# Allegro board 20250806_UNOQ.brd (continued)
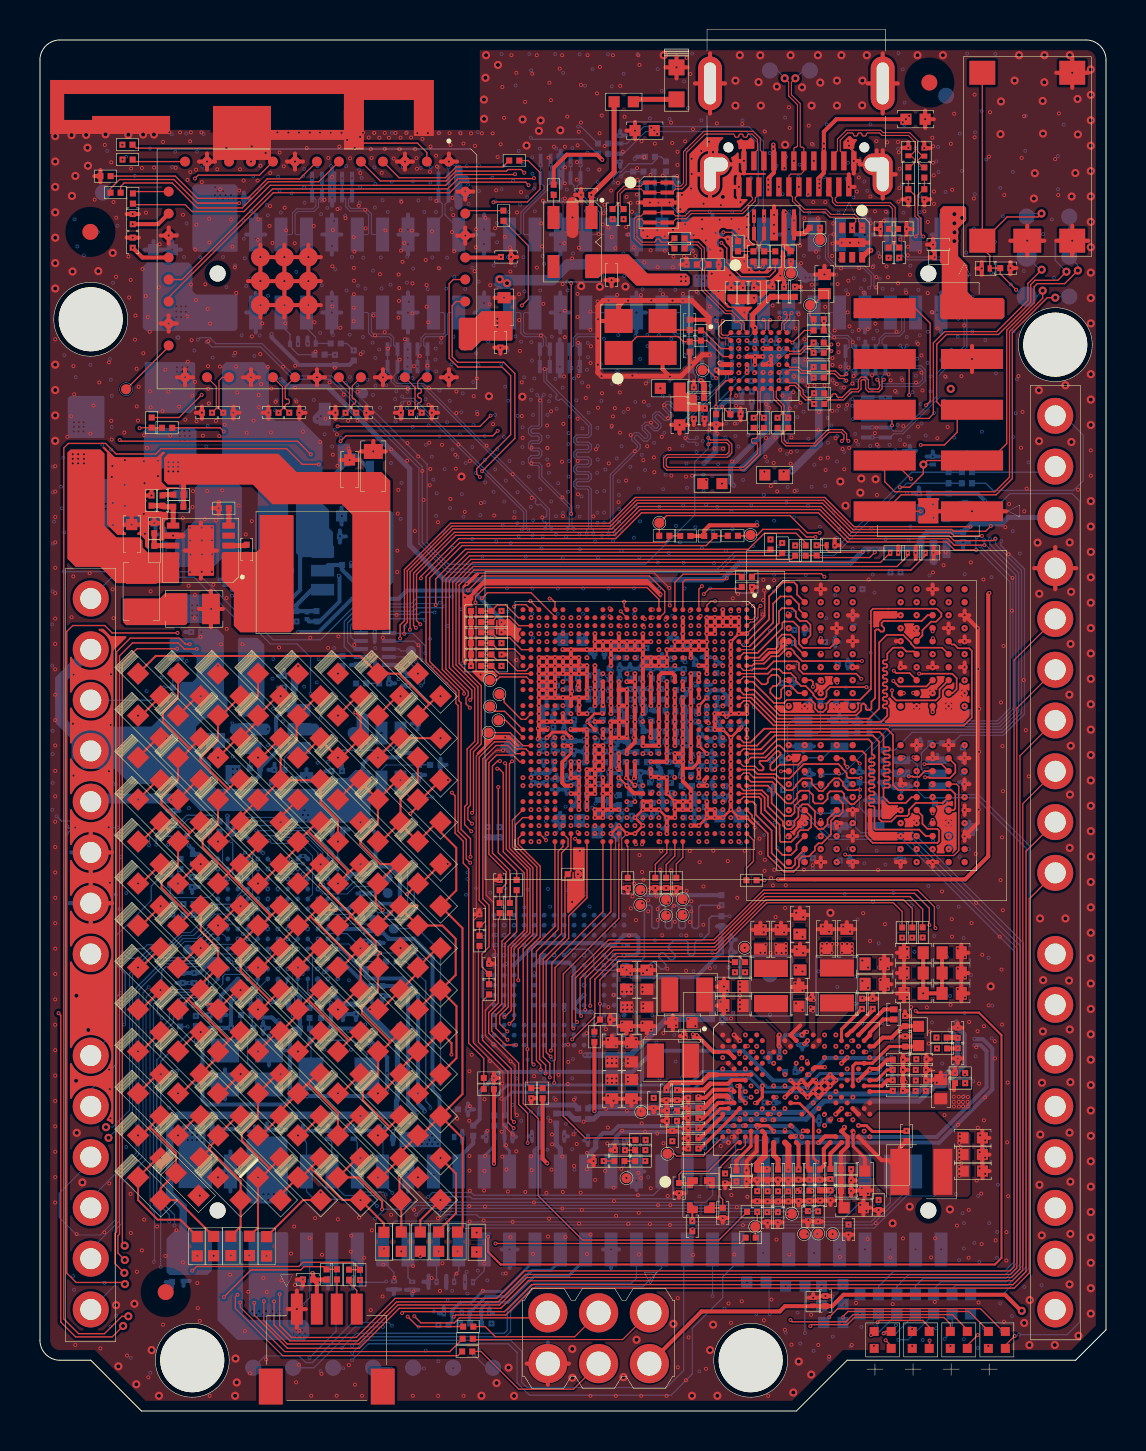
[diagram p0: board, top side]
## Routing (per net, layer and track width the routed paths; a pad name or vN(x,y) marks a point on that pad's centre or on a via; arc(x,y) is an arc through that point) (continued)
VREG_L4A_2P96V: length 46.4
  TOP w0.2: PMIC1.Y14 37.96,13.32 v1(37.96,12.08)
  G2 w0.203: v1(37.96,12.08) v2(39.02,12.08)
  S3 w0.2: v2(25.78,33.67) 25.77,33.67 v3(25.77,33.96)
  S3 w0.203: v2(39.02,12.08) v3(39.02,11.79)
  S6 w0.3: v3(39.02,11.79) 39.37,11.44 39.37,10.62 38.86,10.11 27.37,10.11 21.75,15.73 21.75,32.01 22.14,32.41 25.11,32.41 25.55,32.85 25.55,33.74 v3(25.77,33.96) 25.77,34.11 v5(25.67,34.21)
VREG_L5A_1P232V: length 6.6
  TOP w0.16: PMIC1.P2 34.05,15.13 34.05,15.13 33.88,14.96 33.88,14.96 33.07,14.15
  TOP w0.2: v2(32.94,14.15) 33.07,14.15
  TOP w0.203: SOC1.F15 33.38,34.48 v2(33.45,34.41) ; SOC1.AB11 26.97,36.25 v2(26.92,36.3) 26.97,36.36 SOC1.AB10
  S3 w0.127: v2(26.92,36.3) 26.92,36.3 26.92,36.31 26.97,36.31 26.99,36.29 27.17,36.29 ; 27.17,36.29 27.21,36.32 27.23,36.32 27.23,36.39 27.19,36.39 27.19,36.38 v3(27.18,36.38) ; 27.17,36.29 27.15,36.26 27.13,36.26 27.03,36.16 27.03,36.15 v2(26.97,36.08)
  S3 w0.2: v2(29.37,37.68) 29.37,37.63 29.55,37.45 v3(29.55,37.45) 29.77,37.66 v2(29.77,37.68) ; v2(30.17,31.28) 30.35,31.28 v3(30.45,31.18) 30.57,31.06 30.57,30.98 v2(30.65,30.98) ; v3(33.82,34.29) 33.82,34.29 33.82,34.3 33.81,34.3 33.81,34.3 33.56,34.3 v2(33.45,34.41)
  S3 w0.304: v3(32.27,14.16) 32.27,14.16 32.27,14.15 v2(32.94,14.15)
  S6 w0.2: v3(33.82,34.29) 33.82,34.29 33.82,34.3 33.81,34.3 33.66,34.15 v5(33.56,34.15)
  G7 w0.2: v5(29.29,37.68) v5(29.83,37.68)
  BOTTOM w0.203: C1934.1 33.52,34.15 33.53,34.15 v5(33.56,34.15)
  vias: v4(26.37,36.69) v4(26.92,36.66) v4(26.92,36.14) v4(30.63,31.54) v4(30.57,30.93) v4(30.6,30.49) v5(26.37,36.69) v5(26.92,36.66) v5(26.92,36.14) v5(30.63,31.54) v5(30.57,30.93) v5(30.6,30.49)
VREG_L6A_0P9V: length 33.7
  TOP w0.16: PMIC1.R1 34.16,14.76 34.01,14.61
  TOP w0.2: 34.01,14.61 33.05,13.64 C814.1
  S3 w0.127: v2(32.97,34.48) 33.09,34.36 33.09,34.24 v3(33.1,34.24)
  S3 w0.2: v3(30.04,30.48) v2(29.77,30.48)
  S3 w0.304: v3(32.61,13.76) 32.93,13.76 v2(32.94,13.75)
  S6 w0.2: v4(34.32,33.48) 33.92,33.87 33.48,33.87 33.16,34.19 33.16,34.28 ; 33.16,34.28 33.07,34.19 33.07,34.26 33.08,34.26 33.08,34.24 v3(33.1,34.24) ; 33.16,34.28 33.35,34.48 v5(33.35,34.63) 33.35,34.9 v5(33.3,34.95)
  S6 w0.3: v3(30.04,30.48) 30.04,30.4 v5(30.19,30.25) 30.19,30.25 30.09,30.15 30.09,27.78 30.84,27.04 30.84,15.04 30.4,14.61
  S6 w0.304: 30.4,14.61 30.4,14.05 30.69,13.76 v3(32.61,13.76)
  G7 w0.3: v4(34.32,33.48) 34.65,33.15 34.65,29.58 34.38,29.32 30.87,29.32 30.19,29.99 v5(30.19,30.25)
VREG_L7A_0P664V: length 4.3
  TOP w0.06: 32.96,14.66 v2(33.02,14.59)
  TOP w0.15: 33.17,14.66 33.11,14.59 v2(33.02,14.59) ; PMIC1.N3 34.14,15.41
  TOP w0.2: v2(32.17,36.08) v2(32.17,36.48) ; C815.1 33.17,14.66 33.93,15.41 34.14,15.41
  S3 w0.2: v3(32.17,37.16) v2(32.17,36.88)
  S3 w0.254: v2(33.02,14.59) 33.09,14.59 v3(33.3,14.59)
  V5 w0.3: v3(32.17,37.16) 32.17,36.76 v3(31.89,36.48)
  BOTTOM w0.05: C1845.1 32.26,37.55
  BOTTOM w0.203: 32.26,37.55 32.26,37.49 32.26,37.46 v5(32.3,37.46)
  vias: v4(31.65,36.66) v4(32.2,36.6) v5(31.65,36.66) v5(32.2,36.6)
VREG_L8A_1P0V: length 5.3
  TOP w0.18: 34.61,16.55 35.29,16.55 PMIC1.J5
  TOP w0.2: v2(28.17,34.08) v2(28.17,33.68) ; 33.54,16.37 34.43,16.37 34.61,16.55
  TOP w0.254: 33.54,16.37 33.22,16.05 v2(31.88,16.05)
  S3 w0.2: v3(28.4,33.89) 28.2,33.68 v2(28.17,33.68) ; v2(31.88,16.05) v3(31.88,16.33)
  V5 w0.2: v3(28.4,33.89) 28.06,33.89 v3(27.87,34.08)
  S6 w0.203: 28.85,33.93 28.85,33.93 28.83,33.93 28.83,33.93 v5(28.81,33.93)
  vias: v4(28.21,34.11) v5(28.21,34.11)
VREG_L9A_1P0V: length 4.1
  TOP w0.2: C817.1 33.3,15.67 33.7,16.07 34.64,16.07 PMIC1.L3
  S3 w0.2: v3(27.47,33.68) v2(27.77,33.68) ; v2(32.94,15.75) v3(32.94,16.08)
  S6 w0.2: v3(27.47,33.68) 27.33,33.54 27.24,33.54 27.2,33.58 27.22,33.58 27.22,33.58 v5(27.21,33.58)
  BOTTOM w0.2: C1826.1 C1827.1 27.25,33.52 C1828.1
  vias: v4(26.24,33.48) v5(26.24,33.48)
VREG_L10A_1P3V: length 54
  TOP w0.05: v2(32.26,37.67) 32.22,37.67 32.21,37.68 SOC1.J7
  TOP w0.16: 34.85,16.82 35.17,16.82 35.18,16.83 35.41,16.83 35.42,16.82 35.57,16.82 PMIC1.H6
  TOP w0.18: 33.85,16.82 34.85,16.82
  TOP w0.203: U2901.15 5.91,59.37 v2(4.64,59.37)
  TOP w0.254: 33.85,16.82 33.48,16.82 33.1,16.43 31.6,16.43 31.34,16.18 v2(31.34,16.05)
  S3 w0.2: v2(32.26,37.67) 32.22,37.67 v3(31.99,37.67) 31.72,37.67 v2(31.71,37.68)
  S3 w0.203: v3(30.96,14.4) 30.45,14.91 30.45,15.77 30.74,16.05 v2(31.34,16.05) ; v2(4.64,59.37) 5.18,58.83 v3(7.47,58.83)
  V4 w0.3: v3(20.15,56.12) 19.62,55.59 19.62,54.5 21.04,53.08 21.04,47.75 23.93,44.86 28.89,44.86 31.55,42.2 31.55,38.89 31.99,38.45 v3(31.99,37.67)
  V5 w0.524: v3(7.47,58.83) 8.27,58.03 9.97,58.03 11.88,56.12 v3(20.15,56.12)
  S6 w0.2: v3(31.99,37.67) 31.68,37.98 v5(31.68,38.09)
  BOTTOM w0.2: C1935.1 v5(31.68,38.09)
VREG_L11A_1P0V: length 72.9
  TOP w0.254: v2(33.05,15.16) 33.22,15.16 33.82,15.76 34.38,15.76 PMIC1.M2
  S3 w0.203: v2(37.21,46.99) 37.35,46.99 v3(37.61,46.73) 38.22,46.12 v3(38.22,42.01)
  S3 w0.254: v3(32.64,14.91) 32.89,15.16 v2(33.05,15.16)
  V4 w0.254: v3(24.71,9.93) 25.76,10.97 27.25,10.97 28.35,12.06 28.96,12.06 29.69,12.8 29.69,14.63 29.9,14.83 31.52,14.83 31.78,14.58 32.3,14.58 v3(32.64,14.91)
  S6 w0.203: v5(37.61,47.02) v3(37.61,46.73)
  S6 w0.254: v3(38.22,42.01) 37.74,42.01 36.88,41.15 34.75,41.15 33.5,39.9 22.56,39.9 20.55,37.9 20.55,13.93 24.55,9.93 v3(24.71,9.93)
  BOTTOM w0.381: v5(37.61,47.02) 38.97,48.38 38.97,50.82 R3009.1
VREG_L12A_0P9V: length 4.3
  TOP w0.16: PMIC1.P4 34.82,14.94 34.82,14.9 33.05,13.13
  TOP w0.2: v2(32.94,13.13) 33.05,13.13
  S3 w0.2: v2(30.97,30.48) 31.15,30.3 31.15,30.29 31.19,30.25 31.19,30.23 v3(31.4,30.03) ; v2(31.79,30.89) 31.86,30.96 v3(32.05,30.96)
  S3 w0.304: v2(32.94,13.13) v3(33.37,13.13)
  vias: v4(31.4,29.7) v4(32.25,31.16) v4(32.24,30.7) v4(32.23,30.19) v4(32.22,29.72) v5(31.4,29.7) v5(32.25,31.16) v5(32.24,30.7) v5(32.23,30.19) v5(32.22,29.72)
VREG_L13A_1P8V: length 73.6
  TOP w0.127: 28.17,34.88 27.74,34.88 27.39,34.52 v2(27.39,34.46) 27.54,34.31 27.77,34.08 SOC1.Y16
  TOP w0.203: PMIC1.W13 37.7,13.72 37.72,13.74 37.79,13.74 v2(37.82,13.77) ; v2(23.06,57.73) 23.04,57.7 U2901.39
  S3 w0.2: 26.41,36.32 26.33,36.32 v2(26.17,36.48) ; 26.41,36.32 v2(26.17,36.08) ; 26.41,36.32 v3(26.44,36.32) ; v2(31.37,30.48) 31.37,30.67 31.39,30.69 v3(31.39,30.77) 31.37,30.79 31.12,30.79 31.03,30.88 v2(30.97,30.88) ; v2(27.39,34.46) 27.16,34.46 v3(27.08,34.54) ; v3(28.17,35.24) 28.17,34.93 28.14,34.9 v2(28.12,34.9) ; v3(25.89,35.28) v2(26.17,35.28) ; v2(31.77,37.28) 31.64,37.15 v3(31.64,37.03) ; v3(30.15,32.61) 30.17,32.63 v2(30.17,32.88) ; v2(29.37,30.48) 29.08,30.48 v3(29.07,30.48)
  S3 w0.203: v2(23.06,57.73) 21.83,56.49 21.83,54.51 23.45,52.88 v3(23.68,52.88)
  S3 w0.3: v3(37.64,9.37) 37.7,9.43 37.7,10.41 37.45,10.66 v2(37.45,10.99) 37.45,11.1 37.82,11.47 v2(37.82,13.77)
  V5 w0.2: v3(31.39,30.77) 31.03,30.77 30.85,30.95 30.85,31.36 30.55,31.66 30.55,32.4 30.34,32.61 v3(30.15,32.61)
  V5 w0.203: v3(23.68,52.88) 23.28,52.48 21.95,52.48 20.25,54.19 12.51,54.19 v3(12.09,53.77)
  S6 w0.2: v3(26.44,36.32) 26.4,36.28 v5(25.86,36.28) v5(25.86,36.82) ; v5(26.73,34.59) 26.98,34.59 27.03,34.54 v3(27.08,34.54) ; v5(29.45,30.42) 29.12,30.42 v3(29.07,30.48) ; v3(31.64,37.03) 31.64,37.51 v5(31.59,37.56) ; v5(25.86,35.74) 25.89,35.71 v3(25.89,35.28) 25.89,35.06 v5(25.69,34.85) ; v5(30.32,32.91) 30.34,32.91 30.34,32.8 v3(30.15,32.61) ; v5(28.14,34.95) 28.12,34.95 28.12,35.19 v3(28.17,35.24) ; v5(31.6,30.95) 31.42,30.77 v3(31.39,30.77) ; v3(37.64,9.37) 37.27,9.37 37.25,9.35
  S6 w0.203: v5(12.93,38.96) 12.06,38.96 9.53,41.5 9.53,45.96 8.76,46.73 8.76,51.64 9.2,52.08 10.4,52.08 v3(12.09,53.77) ; v5(23.42,39.27) 23.42,36.2
  BOTTOM w0.203: C1912.1 28.16,34.97 v5(28.14,34.95) ; C1917.1 26.74,34.58 v5(26.73,34.59) ; v5(25.69,34.85) 25.69,35.06 C1939.1 ; 31.7,30.76 31.6,30.86 v5(31.6,30.95) ; v5(23.42,39.27) 21.64,41.05 18.37,41.05 17.95,40.63 15.61,40.63 13.94,38.96 v5(12.93,38.96)
  vias: v1(30.15,34.5) v4(21.39,26.94) v4(21.39,26.61) v5(21.39,26.94) v5(21.39,26.61)
VREG_L14A_1P8V: length 30
  TOP w0.3: v2(37.45,12.08) 37.45,13.26 PMIC1.Y12
  S3 w0.3: v3(37.42,12.36) 37.42,12.1 v2(37.45,12.08)
  S6 w0.254: v5(34.08,22.95) 34.86,22.16 34.86,17.36 34.23,16.73 34.23,15.52 35.32,14.43 35.32,13.98 36.94,12.36 v3(37.42,12.36)
  G7 w0.203: v5(29.6,21.7) 29.6,22.67 29.47,22.8 v5(29.22,22.8)
  BOTTOM w0.203: v5(29.22,22.8) 29.8,22.8 29.94,22.94 29.94,23.66 29.8,23.8 29.22,23.8 EMMC1.P3 EMMC1.N4 EMMC1.M4 28.12,23.4 24.8,23.4 23.72,22.32 EMMC1.C6 ; v5(29.6,21.7) 32.83,21.7 v5(34.08,22.95)
  BOTTOM w0.3: v5(34.08,22.95) 34.08,23.58 C2106.1
VREG_L15A_1P8V: length 185.3
  TOP w0.15: v1(26.57,33.28) v1(26.57,33.05) 26.57,32.89 26.13,32.46 ; 40.11,19.09 PMIC1.B22 ; v2(25.37,33.68) 25.48,33.79 25.49,33.79 25.65,33.96 26.28,33.96 26.44,33.8 26.45,33.79 26.46,33.79 SOC1.AC17
  TOP w0.17: 40.11,19.09 41.13,20.12 v2(41.13,20.12)
  TOP w0.2: 36.27,13.68 36.27,13.87 PMIC1.V8 ; v2(26.57,31.28) 26.27,31.28 26.13,31.42 26.13,32.46 ; 26.17,33.28 v1(26.57,33.28)
  TOP w0.203: R1317.1 R1315.1 R1309.1 R1305.1 R1307.1 v2(21.57,37.27) ; v2(4.64,58.19) 5.13,57.7 U2901.17 ; R1313.1 v2(22.71,12.38) ; v2(25.38,12.39) 25.15,12.62 R1319.1 ; R1311.1 v2(27.74,15)
  TOP w0.3: 36.27,13.68 36.27,12.77 35.89,12.38 C824.1 C823.1
  G2 w0.2: v2(25.37,33.68) 25.61,33.92 25.65,33.92 25.72,33.99 25.95,33.99 26.01,33.93 26.06,33.93 26.06,33.93 26.27,33.93 26.54,33.66 v1(26.59,33.66)
  S3 w0.127: v2(37.46,37.8) 37.5,37.8 37.5,37.86 37.55,37.86 v3(37.72,38.02) ; v2(39.9,37.21) v3(39.9,36.92) ; v3(43.64,37.39) 43.82,37.21 v2(43.86,37.21) ; v3(26.25,31.24) 26.26,31.24 26.26,31.23 26.27,31.23 26.27,31.29 26.28,31.28 v2(26.57,31.28)
  S3 w0.15: v2(33.37,36.08) 33.28,36.17 v3(33.09,36.17)
  S3 w0.2: v3(27.67,37.68) v2(27.37,37.68) ; v3(29.67,30.08) v2(29.37,30.08) ; v2(30.57,32.88) 30.57,33.17 v3(30.58,33.18) ; v2(43.86,31.36) 43.69,31.18 v3(43.69,31.13) ; v2(37.46,30.71) v3(37.18,30.71) ; v3(46.55,37.87) 46.54,37.86 v2(46.26,37.86) ; v2(32.97,30.88) 32.92,30.83 v3(32.7,30.83) ; v3(25.18,33.87) v2(25.37,33.68) ; v3(46.56,30.71) 46.56,30.71 v2(46.26,30.71) ; v3(32.97,30.38) v2(32.97,30.08) ; v2(39.86,31.36) v3(39.86,31.07) ; v3(33.09,32.48) v2(33.37,32.48) ; v3(30.69,38.08) v2(30.97,38.08)
  S3 w0.203: v3(14.09,38.07) 14.68,37.48 17.55,37.48 18.05,36.98 20.61,36.98 20.9,37.27 v2(21.57,37.27) ; v3(20.38,12.87) 22.56,15.05 27.69,15.05 v2(27.74,15) ; v3(6.58,57.66) 5.17,57.66 v2(4.64,58.19) ; v3(34.03,46.83) 34.03,46.48 v2(34.12,46.39) ; v2(25.38,12.39) 22.73,12.39 v2(22.71,12.38) 20.57,12.38 v3(20.45,12.5)
  S3 w0.3: v3(36.41,11.85) 36.38,11.88 v2(36.38,12.12) ; v2(41.13,20.12) v3(41.36,20.35)
  S3 w0.524: v6(45.57,51.13) 46.58,51.13 46.93,51.48 46.93,54.63 45.96,55.6 43.74,55.6 40.85,52.71 40.12,52.71 39.84,52.43 v3(39.22,52.43)
  V4 w0.524: v3(25.3,45.49) 24.08,45.49 21.7,47.87 21.7,52.12 v3(22.57,52.99)
  V5 w0.203: 11.41,54.93 11.59,54.76 v3(11.59,54.16)
  V5 w0.5: v3(22.57,52.99) 20.63,54.93 9.47,54.93 7.09,57.31 v3(7.09,57.65)
  S6 w0.1: v5(19.63,13.36) 19.63,13.04 v3(19.66,13.01)
  S6 w0.2: v5(29.61,29.77) 29.61,30.02 v3(29.67,30.08) ; 30.96,32.92 30.7,33.18 v3(30.58,33.18) ; 30.96,32.92 31.11,32.92 31.37,32.66 31.88,32.66 32.06,32.48 32.17,32.48 32.2,32.46 32.86,32.46 32.91,32.41 33.02,32.41 v3(33.09,32.48) 33.24,32.33 v5(33.24,32.24) 33.12,32.12 33.12,31.67 33.16,31.64 33.16,31.43 33.12,31.4 33.12,31.03 ; 30.96,32.92 v5(30.96,32.96) ; v5(33.26,30.73) 33.13,30.85 33.13,31.02 33.12,31.03 ; 33.12,30.94 33.12,31.03 ; v3(37.18,30.71) v5(37.18,31.06) ; v3(25.18,33.87) 25.19,33.86 v5(25.19,33.53) v5(25.19,33.02) ; v5(26.43,31.03) 26.27,31.19 26.27,31.23 26.26,31.23 26.26,31.24 v3(26.25,31.24) ; v5(37.72,38.41) 37.72,38.03 v3(37.72,38.02) ; v3(30.69,38.08) 31.29,38.08 31.45,38.25 31.45,38.26 31.6,38.41 32.28,38.41 32.28,37.87 32.56,37.59 32.56,37.1 32.66,37 32.66,37 32.85,36.81 33.08,36.58 33.08,36.14 33.08,36.14 33.08,36.17 v3(33.09,36.17) ; v3(39.86,31.07) 39.85,31.08 v5(39.85,31.38)
  S6 w0.203: 11.4,27.67 11.4,30.77 v3(10.72,31.45) ; 11.4,27.67 v5(11.16,27.91) ; 11.4,27.67 v5(11.4,27.11) ; v5(29.68,61.49) 29.68,62.55 v5(29.76,62.63) 29.76,62.9 v3(29.61,63.05) ; v3(14.09,38.07) 13.88,38.28 11.45,38.28 v3(11.23,38.07) ; v5(11.59,53.88) v3(11.59,54.16)
  S6 w0.3: v5(39.92,37.36) 39.92,36.94 v3(39.9,36.92)
  S6 w0.5: v3(39.22,52.43) 38.99,52.2 38.99,51.69 38.05,50.75 36.91,50.75 36.63,50.47 35,50.47 34.01,49.48 34.01,48.37 35.17,47.21 v5(35.17,47.17) 34.37,47.17 v3(34.03,46.83) 33.1,45.9 28.82,45.9 28.41,45.49 v3(25.3,45.49)
  S6 w0.524: v3(13.6,3.88) v5(13.26,3.88) v5(12.99,3.88)
  BOTTOM w0.2: 15.55,37.32 U1101.1
  BOTTOM w0.203: 25.61,31.09 C1841.1 ; C1841.1 25.84,30.86 ; C1841.1 26.07,31.09 ; 24.96,33.53 v5(25.19,33.53) 25.19,33.3 ; 20.03,32.02 R1102.1 ; R1102.1 20.34,32.32 ; R1102.1 20.03,32.62 ; 29.61,29.55 v5(29.61,29.77) ; 27.73,37.68 C1833.1 27.51,37.91 ; 19.89,14.33 19.99,14.43 19.99,15.72 19.65,16.06 19.65,22.69 18.72,23.62 17.43,23.62 17.43,23.66 17.17,23.92 C2515.1 16.82,24 C2516.1 16.2,24.11 MCU1.A6 ; 23.6,32.78 TP2610.1 ; TP2610.1 24.08,33.26 ; TP2610.1 23.6,33.74 ; TP2610.1 23.12,33.26 ; R2606.2 15.48,52.33 R2605.2 12.96,52.33 11.59,53.7 v5(11.59,53.88) ; v5(29.76,62.63) 29.87,62.74 R2609.2 ; v5(30.3,25.8) R2114.1 ; 25.19,33.25 v5(25.19,33.02) 24.96,33.02 ; 26.35,30.86 C1834.1 26.13,31.09 ; C2514.1 v5(11.16,27.91)
  BOTTOM w0.381: v5(35.17,47.17) 35.21,47.17 37.35,49.31 R3012.1
  BOTTOM w0.524: v5(12.99,3.88) v5(12.7,3.88) 10.07,3.88 9.52,4.43 9.52,8.08
  BOTTOM w0.6: 15.69,33.91 U1102.1 16.14,34.64
  vias: v1(26.24,33.27) v3(6.79,58.03) v3(13.99,3.88) v3(14.37,3.88) v3(19.34,6.94) v3(19.77,6.95) v3(20.02,12.98) v3(20.1,12.6) v3(20.21,6.96) v4(12.84,4.05) v4(12.85,3.7) v4(13.12,4.05) v4(13.13,3.7) v4(18.8,13.77) v4(18.95,13.56) v4(19.08,13.77) v4(19.1,13.36) v4(19.23,13.56) v4(19.33,13.77) v4(19.38,13.36) v4(19.48,13.56) v4(19.61,13.77) v4(19.76,13.56) v4(19.91,13.36) v4(25.8,31.09) v4(27.77,37.96) v4(30.35,38.18) v4(33.28,30.22) v5(12.84,4.05) v5(12.85,3.7) v5(13.12,4.05) v5(13.13,3.7) v5(18.8,13.77) v5(18.95,13.56) v5(19.08,13.77) v5(19.1,13.36) v5(19.23,13.56) v5(19.33,13.77) v5(19.38,13.36) v5(19.48,13.56) v5(19.61,13.77) v5(19.76,13.56) v5(19.91,13.36) v5(25.8,31.09) v5(27.77,37.96) v5(30.35,38.18) v5(33.28,30.22) v6(45.75,59.87) v6(45.75,59.41) v6(45.76,58.96) v6(45.75,58.52) v6(46.14,59.68)
VREG_L16A_1P8V: length 1.4
  TOP w0.254: PMIC1.Y10 36.71,12.8 36.93,12.58 36.93,12.08 C825.1
VREG_L17A_3P0V: length 1.4
  TOP w0.2: PMIC1.Y16 38.41,12.18 C826.1
VREG_L18A_1P8V: length 1.6
  TOP w0.2: PMIC1.Y22 39.55,12.88 C827.1
VREG_L19A_1P8V: length 1.6
  TOP w0.2: PMIC1.Y20 39.22,13.11 39.22,12.28 C828.1
VREG_L20A_2P96V: length 31.9
  TOP w0.2: PMIC1.V16 38.39,14.01 38.18,14.01 38.18,14.01 38.17,14.01 v2(38.17,14.01)
  S3 w0.203: v3(27.91,10.97) 27.91,9.58 28.8,8.69 37.42,8.69 38.1,9.37 38.1,10.67 37.96,10.81 C829.1
  S3 w0.3: v2(38.17,14.01) 38.25,13.94 38.25,11.3 v2(38.05,11.1)
  BOTTOM w0.203: 24.95,22.53 25.04,22.43 26.47,22.43 26.72,22.17 EMMC1.J10 ; 24.95,22.53 EMMC1.F5 ; 24.95,22.53 EMMC1.E6 ; EMMC1.J10 26.72,20.19 26.95,19.96 v5(27.61,19.96) ; EMMC1.J10 v5(27.22,20.8)
  BOTTOM w0.3: v5(27.28,17.8) v5(27.5,17.8) 29.45,17.8 29.56,17.8 31.37,19.61 C2105.1 C2103.1 C2104.1
  vias: v1(37.9,10.95) v2(37.9,10.95)
VREG_L21A_2P96V: length 28.8
  S3 w0.2: v3(31.27,31.28) v2(30.97,31.28) ; 37.42,13.44 37.42,13.83 37.62,14.03 v2(37.62,14.22)
  S3 w0.304: v2(36.93,11) 37.07,11.13 37.07,11.66 ; 37.42,13.44 37.42,12.91 37.05,12.54 37.05,11.66 37.07,11.66 ; 37.07,11.66 v3(37.16,11.66)
  S6 w0.2: v5(31.52,31.44) 31.43,31.44 v3(31.27,31.28) 31.01,31.03 31.01,29.91
  S6 w0.3: 31.01,29.91 31.01,29.59 33.2,27.4 33.2,17.12
  S6 w0.304: v3(37.16,11.66) 36.13,12.69 33.21,12.69 32.99,12.9 32.99,13.29 32.99,13.29 32.99,13.54 33.71,14.25 33.71,14.78 33.32,15.17 33.32,17 33.2,17.12
VREG_L22A_3P3V: length 86.8
  TOP w0.203: v2(36.93,26.59) 46.29,26.59 47.45,27.75 47.45,40.87 v2(47.5,40.92)
  TOP w0.304: C831.1 39.55,11.04 v2(39.55,11.04)
  S3 w0.203: v2(47.5,40.92) v3(47.5,40.64) ; v2(36.93,26.59) 37.39,27.05 v3(37.39,27.13)
  S3 w0.3: 38.96,13.89 39.5,13.35 39.5,11.1 v2(39.55,11.04)
  S3 w0.304: 38.96,13.89 38.96,13.89 v2(38.96,14.01) 38.96,14.15 38.95,14.16 38.95,14.37 v3(38.9,14.41)
  V4 w0.203: v3(47.5,40.64) 46.1,42.04 46.1,53.86 44.86,55.1 43.62,55.1 41.13,57.59 39.9,57.59 39.37,57.06 v3(39.37,56.69)
  S6 w0.203: v3(38.99,56.69) v5(38.71,56.69)
  S6 w0.4: v3(38.9,14.41) 40.2,13.12 41.27,13.12 41.77,13.62 41.77,15.14 40.03,16.88 40.03,20.29 38.55,21.77 38.55,25.97 v3(37.39,27.13)
  BOTTOM w0.524: v6(23.37,56.41) 23.52,56.57 25.63,56.57 26.42,57.35 37.64,57.35 v5(38.3,56.69)
  vias: v1(22.89,54.64) v1(22.89,54.43) v1(22.89,54.23) v2(22.89,54.64) v2(22.89,54.43) v2(22.89,54.23) v3(23.55,53.51) v3(23.95,53.51) v4(38.51,56.69) v5(38.51,56.69) v6(23,56.6)
VREG_RFCLK: length 2.3
  TOP w0.16: 34.9,12.57 35.58,13.25 35.58,13.98 35.57,13.99 PMIC1.V6
  TOP w0.2: C706.1 34.85,12.52 34.9,12.57
VREG_RFCLK2: length 3.4
  S3 w0.15: v2(34.85,11.48) 34.85,12.1 35.41,12.66 35.41,14.4 v2(35.58,14.57)
VREG_S1A_0P8V: length 12.7
  TOP w0.2: 28.97,32.08 v1(28.97,32.48) v2(28.97,32.88) ; v2(27.37,31.68) v1(27.37,31.28) ; v2(27.37,31.68) v1(27.77,31.68) ; v2(27.37,31.68) v1(27.37,32.08) SOC1.Y21 ; v1(27.37,31.28) v2(27.77,31.28) ; v1(27.37,31.28) v2(27.37,30.88) ; SOC1.Y21 v1(28.17,32.08) 28.17,32.48 ; SOC1.Y21 v1(27.77,31.68) ; SOC1.Y21 v1(27.77,32.48) ; v2(27.37,30.08) v1(27.37,30.48) v2(27.37,30.88) ; v2(27.37,30.88) v1(27.77,30.88) v2(27.77,31.28) ; v1(27.77,31.68) v2(27.77,31.28) ; v1(28.17,32.88) v2(28.17,33.28) v3(27.77,33.28) v2(27.77,32.88) ; v1(28.17,32.88) v2(27.77,32.88) ; v1(28.17,32.88) 28.17,32.48 ; v2(27.77,32.88) v1(27.77,32.48) ; v1(27.77,32.48) 28.17,32.48 ; SOC1.R22 v2(29.77,32.48)
  S3 w0.2: v2(28.89,32.13) 28.95,32.13 28.97,32.15 v3(28.97,32.44) ; v3(29.75,32.15) 29.76,32.15 29.76,32.15 29.77,32.15 29.77,31.65 v2(29.72,31.65) ; v2(28.97,31.28) 28.97,31.02 v3(28.98,31)
  S6 w0.2: v3(28.98,31) 28.63,31 v5(28.53,30.91)
  BOTTOM w0.127: C1709.1 27.77,32.24 v5(27.7,32.17)
  BOTTOM w0.203: 28.99,30.87 28.99,30.87 28.85,30.73 28.85,30.76 v5(28.83,30.76)
  vias: v1(27.77,32.08) v1(28.15,32.49) v1(39.14,23.37) v1(39.11,23.14) v1(39.11,22.9) v1(39.37,23.38) v1(39.65,23.37) v1(39.62,22.93) v1(39.88,23.37) v1(40.13,23.37) v1(40.12,22.93) v1(40.39,23.37) v1(40.61,23.34) v1(40.64,23.11) v1(40.64,22.91) v2(27.29,31.48) v2(27.42,30.68) v2(27.51,31.85) v2(27.67,32.3) v2(27.67,31.09) v2(27.77,32.08) v2(27.83,31.89) v2(27.9,32.3) v2(28.09,33.09) v2(28.15,32.49) v2(39.14,23.37) v2(39.11,23.14) v2(39.11,22.9) v2(39.37,23.38) v2(39.65,23.37) v2(39.62,22.93) v2(39.88,23.37) v2(40.13,23.37) v2(40.12,22.93) v2(40.39,23.37) v2(40.61,23.34) v2(40.64,23.11) v2(40.64,22.91) v3(27.35,32.11) v3(27.35,31.16) v3(27.35,30.38) v3(27.77,32.58) v3(27.77,31.58) v3(27.77,30.77) v3(28.15,32.78) v3(28.09,32.1) v3(39.38,23.11) v3(39.37,22.73) v3(39.87,23.08) v3(39.87,22.71) v3(40.36,23.09) v3(40.37,22.73) v4(27.12,29.57) v4(27.42,30.81) v4(27.45,31.85) v4(27.45,31.41) v4(27.63,30.18) v4(27.77,32.97) v4(27.79,30.38) v4(27.9,33.54) v4(27.88,28.97) v4(27.96,31.85) v4(27.95,31.38) v4(28.13,32.44) v4(28.27,33.03) v4(29.29,32.46) v4(29.65,31.89) v4(29.82,32.42) v5(27.12,29.57) v5(27.42,30.81) v5(27.45,31.85) v5(27.45,31.41) v5(27.63,30.18) v5(27.77,32.97) v5(27.79,30.38) v5(27.9,33.54) v5(27.88,28.97) v5(27.96,31.85) v5(27.95,31.38) v5(28.13,32.44) v5(28.27,33.03) v5(29.29,32.46) v5(29.65,31.89) v5(29.82,32.42)
VREG_S2A_0P8V: length 15.2
  TOP w0.2: v2(30.57,34.52) SOC1.N15 30.57,33.77 ; v1(29.77,36.48) v2(29.77,36.08) v1(29.77,35.68) SOC1.R13 SOC1.R15 v1(29.77,34.08) SOC1.R17 29.77,33.46 29.37,33.06 v2(29.37,32.88) ; v1(29.77,36.48) v2(29.37,36.48) ; v1(29.77,36.48) v2(29.77,36.88) ; v2(30.55,33.77) 30.57,33.77 ; 30.57,33.77 SOC1.N17 ; v2(27.77,35.28) v1(27.77,35.68) v2(27.77,36.08) v1(27.77,36.48) v1(27.77,36.88) v2(27.77,37.28) ; v1(31.77,33.28) v2(31.77,33.68) v1(31.77,34.08) v2(31.77,34.48) v1(31.77,34.88) v2(31.77,35.28) v1(31.77,35.68) v2(31.77,36.08) ; v2(30.57,36.88) v2(30.57,36.08) v2(30.57,35.28)
  S3 w0.2: v3(29.77,36.58) 29.77,36.62 29.77,36.63 v2(29.77,36.88) ; v2(31.74,31.71) 31.77,31.71 31.77,31.94 31.74,31.96 v3(31.74,32.04) ; v2(27.77,35.28) 27.77,34.98 27.76,34.97 27.76,34.97 v3(27.75,34.97) ; v3(30.97,32.58) v2(30.97,32.88) ; v3(27.73,35.79) 27.72,35.79 27.79,35.79 27.77,35.81 v2(27.77,36.08)
  S3 w0.203: v2(30.57,34.52) 30.57,34.48 30.56,34.47
  S6 w0.1: 26.75,38.71 27.07,38.71 v5(27.13,38.77)
  S6 w0.2: v3(31.74,32.04) 31.74,31.96 31.58,31.79 v5(31.52,31.79)
  BOTTOM w0.203: C1813.1 27.45,35.67 27.43,35.69 27.43,35.76 27.45,35.76 27.45,35.88 v5(27.45,35.88) ; v5(31.73,33.59) 31.86,33.46 C1815.1 ; v5(31.84,33.79) 31.83,33.8 C1811.1 ; v5(27.48,35.03) 27.51,35.07 C1807.1
  vias: v1(29.7,33.7) v1(29.77,35.28) v1(29.77,34.48) v1(36.05,22.92) v1(36.31,23.34) v1(36.28,22.92) v1(36.56,22.92) v1(36.82,23.34) v1(36.85,22.92) v1(37.11,22.91) v1(37.33,23.37) v1(37.33,23.14) v1(37.33,22.92) v2(29.68,36.27) v2(29.68,33.9) v2(29.7,33.7) v2(29.77,35.48) v2(29.77,35.28) v2(29.77,34.68) v2(29.77,34.48) v2(36.05,22.92) v2(36.31,23.34) v2(36.28,22.92) v2(36.56,22.92) v2(36.82,23.34) v2(36.85,22.92) v2(37.11,22.91) v2(37.33,23.37) v2(37.33,23.14) v2(37.33,22.92) v3(27.65,36.85) v3(27.65,36.45) v3(29.42,33.34) v3(29.68,34.19) v3(29.77,35.78) v3(29.77,34.98) v3(30.58,36.52) v3(30.57,35.78) v3(30.57,34.91) v3(30.61,34.16) v3(31.77,35.7) v3(31.77,34.91) v3(31.77,34.08) v3(34.03,29.71) v3(36.09,23.56) v3(36.07,23.2) v3(36.56,23.56) v3(36.56,23.21) v3(37.04,23.56) v3(37.05,23.18) v4(27.4,36.74) v4(27.55,36.15) v4(29.49,36.69) v4(29.52,36.11) v4(29.55,35.6) v4(29.64,35.23) v4(29.58,34.72) v4(29.7,33.91) v4(29.86,33.54) v4(30.08,36.63) v4(30.47,36.78) v4(30.5,34.62) v4(30.66,35.51) v4(30.66,34.46) v4(31.83,36.06) v4(31.77,35.19) v4(33.83,29.99) v4(34.2,29.98) v5(27.4,36.74) v5(27.55,36.15) v5(29.49,36.69) v5(29.52,36.11) v5(29.55,35.6) v5(29.64,35.23) v5(29.58,34.72) v5(29.7,33.91) v5(29.86,33.54) v5(30.08,36.63) v5(30.47,36.78) v5(30.5,34.62) v5(30.66,35.51) v5(30.66,34.46) v5(31.83,36.06) v5(31.77,35.19) v5(33.83,29.99) v5(34.2,29.98)
VREG_S3A_1P352V: length 9.7
  TOP w0.16: PMIC1.K4 35.01,15.7 v2(35.29,15.41)
  TOP w0.203: v2(38.38,18.97) 38.28,18.97 v2(38.12,18.81)
  G2 w0.203: v2(38.12,18.81) 38.22,18.81 v2(38.38,18.97)
  S3 w0.1: 30.48,20.04 30.29,20.04 v2(30.18,20.15)
  S3 w0.2: v2(36.99,17.68) v3(37.19,17.48) 37.25,17.54 37.5,17.54 37.95,17.99 37.95,18.63 v2(38.12,18.81)
  S3 w0.203: v2(35.29,15.41) 35.13,15.41 v3(34.98,15.27) ; v3(38.12,19.08) 38.12,19.08 v2(38.12,18.81) ; v3(38.46,19.23) 38.46,19.23 38.46,19.18 ; v3(34.58,16.28) 34.6,16.26 v2(34.89,16.26) ; v2(35.29,17.11) 35.37,17.18 v3(35.56,17.18)
  S6 w0.203: v3(34.98,15.27) 35.34,15.63 v5(35.34,15.66) ; v5(37,17.7) 37,17.67 v3(37.19,17.48) ; v5(35.1,16.07) 34.92,16.07 34.72,16.28 v3(34.58,16.28)
  BOTTOM w0.203: 35.09,15.61 35.13,15.65 35.13,15.66 v5(35.34,15.66) ; 35.09,15.61 C804.1 v5(35.1,16.07) ; 35.09,15.61 C803.1 ; v5(38.14,18.8) C801.1 37.31,18.81 37,18.5 v5(37,17.7) C802.1
  vias: v1(29.13,20.97) v1(29.16,20.3) v1(29.16,20.08) v1(29.35,20.97) v1(29.39,20.3) v1(29.39,20.08) v1(29.58,21.23) v1(29.58,20.97) v1(29.61,20.3) v1(29.61,20.08) v1(30.15,21.19) v1(30.15,20.97) v1(30.18,20.37) v2(29.13,20.97) v2(29.16,20.3) v2(29.16,20.08) v2(29.35,20.97) v2(29.39,20.3) v2(29.39,20.08) v2(29.58,21.23) v2(29.58,20.97) v2(29.61,20.3) v2(29.61,20.08) v2(30.15,21.19) v2(30.15,20.97) v2(30.18,20.37) v3(29.23,20.66) v3(29.61,20.66) v3(29.86,21.05) v3(29.89,20.18) v3(29.99,20.66)